# KiCad board mtt_final.kicad_pcb (continued)
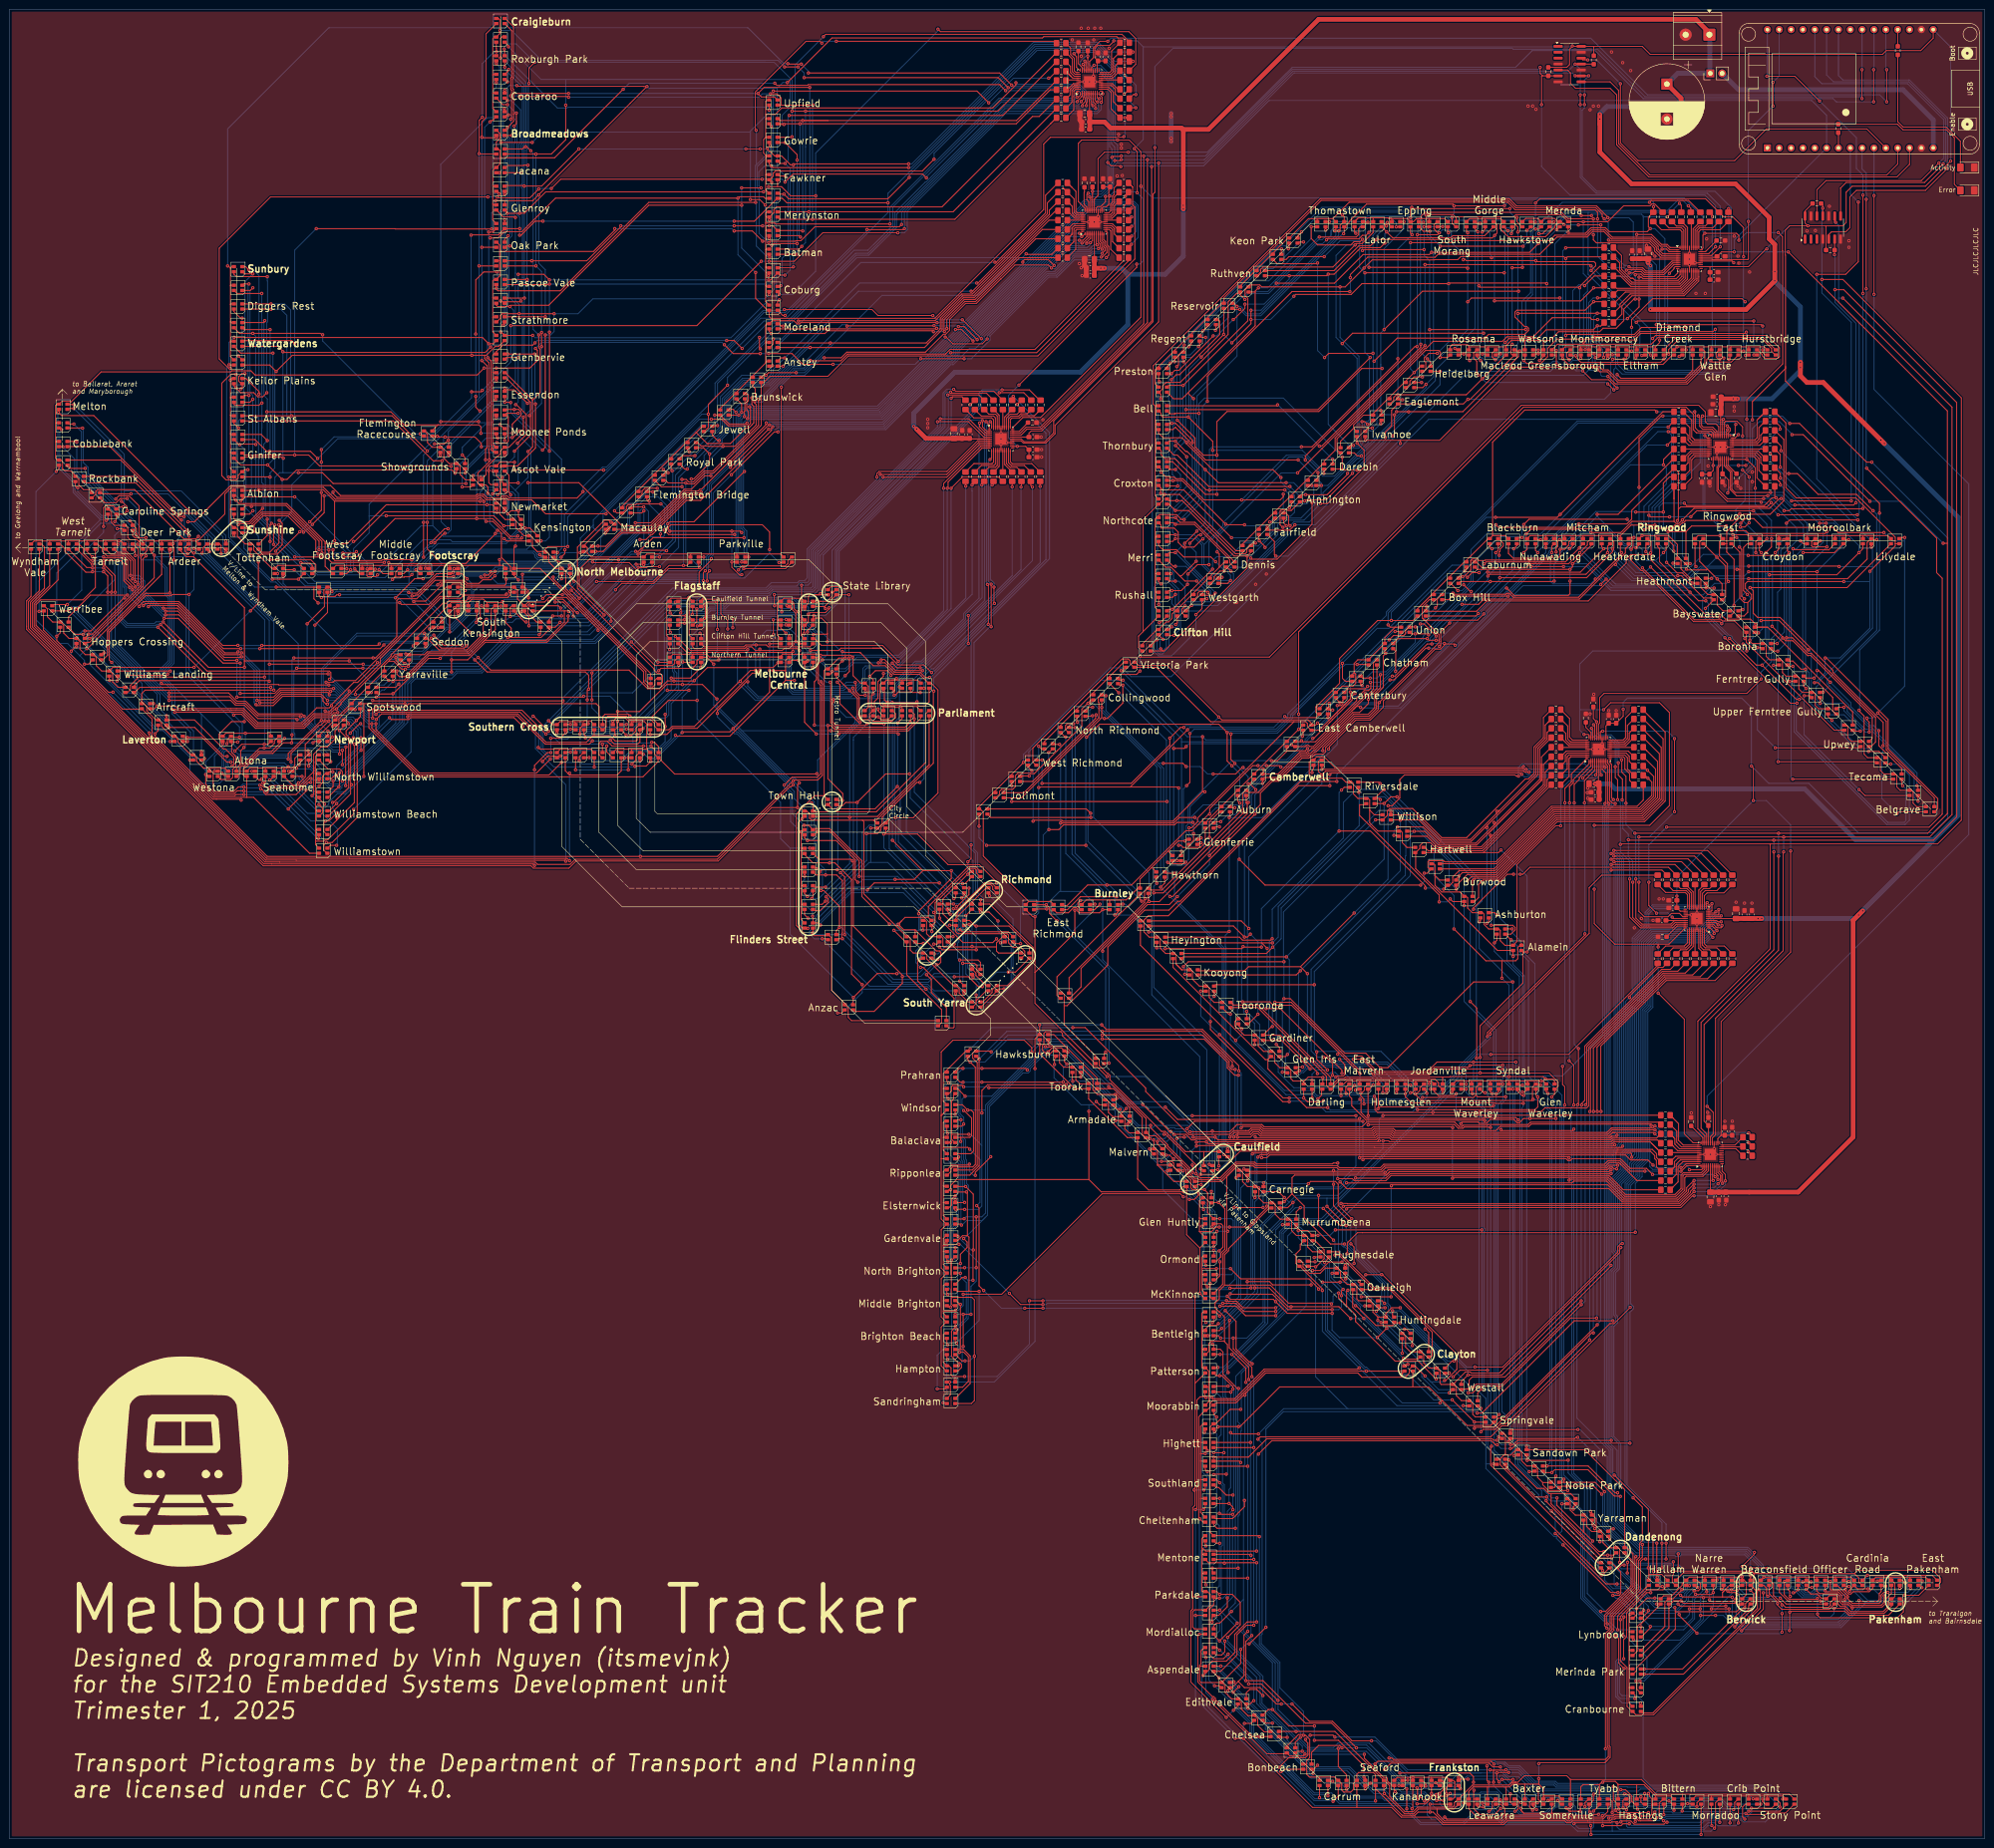
[diagram p0: board, top side]
## Routing (per net, layer and track width the routed paths; a pad name or vN(x,y) marks a point on that pad's centre or on a via; arc(x,y) is an arc through that point) (continued)
Net-(D218-GK): length 380.5
  Top w0.2: 374.78,319.4 375.78,318.4 375.78,318.17 376.35,317.6 379.22,317.6 379.52,317.91 379.52,319.82 376.83,322.5 352.96,322.5 v1(352.29,321.84) ; v1(331.16,346.82) 330.27,346.82 ; R63.2 360.5,349.75 v1(359.96,350.29) ; D248.4 248.52,279.72 v1(250,279.72) ; D266.4 327.75,319.4 v1(327.8,319.35) ; 248.44,303.64 v1(249.24,303.64) 250.04,303.64 253.62,300.06 v1(253.62,299.48) ; v1(311.71,338.74) 311.74,338.76 311.74,338.8 311.83,338.89 311.99,338.89 312.35,338.53 v1(327.25,338.53) 327.45,338.32 339.74,338.32 340.11,337.95 340.11,337.43 v1(339.11,336.43) ; v1(351.89,318.29) 350.78,319.4 ; D230.4 v1(283,346.9) ; v1(277.86,295.76) 277.86,296.61 301.35,320.1 v1(301.8,320.1) ; v1(301.87,344.1) 306.18,344.1 v1(306.59,344.51) 306.27,344.51 305.85,344.93 305.43,345.35 305.43,346.24 306.09,346.9 ; v1(302.78,312.39) 301.21,312.39 ; D278.4 280.56,291.76 v1(280.56,293.06) ; v1(249.15,313.02) 250.21,314.07 250.89,314.07 255.16,318.34 255.16,318.36 259.5,322.7 259.5,325.55 259.15,325.9 D236.4 ; D284.4 260,270.4
  Bottom w0.2: v1(306.59,344.51) 307.2,345.12 308.85,345.12 309.16,344.82 309.16,343.6 309.09,343.53 309.09,342.51 311.71,339.89 v1(311.71,338.74) ; v1(351.89,318.29) 351.89,321.84 ; 351.89,321.84 351.89,323.66 v1(339.11,336.43) ; 351.89,321.84 v1(352.29,321.84) ; v1(249.15,313.02) 249.15,311.96 249.24,311.87 v1(249.24,303.64) ; v1(260,270.6) 260,270.8 259.6,271.2 258.27,271.2 256.09,273.38 256.09,277.1 ; v1(280.56,293.06) v1(277.86,295.76) 277.24,296.38 274.28,296.38 260.19,282.29 260.19,281.9 ; 260.19,281.9 260.19,281.65 256.09,277.56 256.09,277.1 ; 260.19,281.9 260.19,282.24 ; v1(327.8,319.35) 327.25,319.9 v1(327.25,338.53) 327.24,338.53 327.24,344.5 329.57,346.82 v1(331.16,346.82) 333.63,349.29 355.49,349.29 357.66,351.46 358.79,351.46 v1(359.96,350.29) ; 256.09,277.1 256.09,277.68 254.06,279.72 v1(250,279.72) 249.39,280.33 249.39,285.18 253.62,289.41 v1(253.62,299.48) ; v1(283,346.9) 289.95,346.9 291.16,348.11 299.81,348.11 300.05,348.35 300.95,348.35 302,347.3 302,344.23 v1(301.87,344.1) 301.87,313.3 v1(302.78,312.39)
Net-(D218-RK): length 401.4
  Top w0.2: v1(327.92,344.31) 328.71,344.31 D218.1 ; v1(249.99,278.88) 249.41,278.3 D248.1 ; v1(374,325.6) 349.1,325.6 v1(348.8,325.3) ; v1(276.32,295.78) 256.47,295.78 253,299.25 253,299.8 249.99,302.81 249.48,302.3 D242.1 ; v1(307.3,345.84) 306.24,345.84 ; v1(261.81,269.91) 261.2,269.3 D284.1 ; D236.1 258.7,323.71 v1(258.58,323.59) ; v1(266.15,274.74) 266.4,274.49 271.8,274.49 279.29,281.97 v1(279.29,286.62) ; v1(303.73,312.01) 303.02,311.3 D272.1 ; v1(327.85,342.23) 325.93,340.31 v1(304.91,340.31) 304.45,339.85 290.25,339.85 284.11,333.71 v1(271.64,333.71) ; D278.1 v1(281.3,290.3) ; D254.1 v1(374,318.3) ; v1(358.07,350.83) 358.45,350.44 R62.2 ; v1(282.2,345.1) D230.1 ; 350.58,318.2 v1(350,318.2) ; v1(327.8,318.53) 326.93,318.53
  Bottom w0.2: v1(281.3,290.3) 282.67,290.3 303.73,311.37 v1(303.73,312.01) 305.33,313.61 305.33,339.89 v1(304.91,340.31) 304.91,342.89 303.95,343.85 303.95,345.13 304.66,345.84 v1(307.3,345.84) ; v1(258.58,323.59) 261.45,326.46 261.45,327.89 265.43,331.87 269.81,331.87 v1(271.64,333.71) 271.64,334 280.65,343 281.46,343 282.2,343.74 v1(282.2,345.1) ; 328.24,344.31 328.24,342.23 ; 328.24,344.31 329.5,344.31 334.08,348.89 338.5,348.89 ; 328.24,344.31 v1(327.92,344.31) ; 328.24,342.23 v1(327.85,342.23) ; 328.24,342.23 328.4,342.07 328.4,319.06 327.88,318.53 v1(327.8,318.53) ; v1(276.32,295.78) 281.25,290.85 281.25,288.44 279.43,286.62 v1(279.29,286.62) ; 338.5,348.89 356.13,348.89 v1(358.07,350.83) ; 338.5,348.89 338.47,348.86 338.47,335.59 349.57,324.5 349.57,318.63 v1(350,318.2) ; v1(249.99,278.88) 254.32,278.88 255.69,277.51 255.69,273.21 258.99,269.91 v1(261.81,269.91) 261.81,271.03 261.3,271.54 261.3,272.19 261.86,272.75 264.17,272.75 v1(266.15,274.74) ; v1(374,318.3) v1(374,325.6)
Net-(D219-BK): length 402.4
  Top w0.2: v1(274.44,285.53) 274.9,285.99 D279.2 ; v1(297.7,317.5) 297.7,317.02 279.28,298.6 v1(277,298.6) ; v1(368.66,317.39) 368.9,317.63 D255.2 ; v1(254.45,274.05) 251.32,270.92 250.92,270.92 ; v1(323.22,347.8) 323.22,346.89 324.32,345.8 ; D225.2 300.4,344.43 v1(300.74,344.09) ; v1(342.7,312.1) v1(344,310.8) ; D249.2 247.93,272.77 249.07,272.77 250.92,270.92 ; 250.92,270.92 252.03,269.8 v1(254.56,269.8) ; v1(273.47,289.34) 256.59,289.34 249.88,296.05 247.75,296.05 246.95,296.85 246.95,297.75 D243.2 ; v1(252.87,320.06) 253.4,320.6 D237.2 ; v1(368.6,349.7) 368.66,349.64 368.66,348.81 ; v1(274.22,341.07) 274.4,341.25 D231.2 ; 254.01,265.8 254.78,266.57 254.78,267.21 255.14,267.57 256.76,267.57 v1(256.96,267.37) ; 296,307.8 296.8,308.6 296.8,309.2 297.37,309.76 v1(297.7,309.76) 312.37,309.76 v1(315.8,313.2) D267.2 ; v1(255.4,279.7) 254.9,279.7 v1(253.1,277.9) ; v1(300.42,347.75) 300.42,349.72 v1(300.67,349.97) 300.92,349.71 303.1,349.71 303.11,349.7 v1(321.7,349.7) ; v1(343.65,318.36) 344.84,318.36
  Bottom w0.2: v1(277,298.6) 257.9,298.6 257.3,298 v1(257.3,289.3) 257.3,281.6 v1(255.4,279.7) ; 344.4,315.6 345.8,314.2 367.2,314.2 368.66,315.66 v1(368.66,317.39) 368.66,347.29 368.6,347.35 v1(368.6,349.7) ; 344.4,315.6 344,315.2 v1(344,310.8) ; 344.4,315.6 344.4,317.62 v1(343.65,318.36) ; v1(252.87,320.06) 252.6,319.8 251.65,319.8 251.3,320.16 251.3,321.02 271.98,341.69 273.59,341.69 v1(274.22,341.07) 274.22,342.8 281.38,349.97 v1(300.67,349.97) ; v1(300.42,347.75) 300.42,347.61 300.74,347.29 v1(300.74,344.09) 297.7,341.06 v1(297.7,309.76) ; v1(253.1,277.9) 253.1,277.3 254.45,275.95 v1(254.45,274.05) ; v1(321.7,349.7) 321.7,348.92 322.82,347.8 v1(323.22,347.8) ; v1(342.7,312.1) 342.4,312.4 316.6,312.4 v1(315.8,313.2) ; v1(273.47,289.34) 274.44,288.36 274.44,287.33 274.44,287.33 v1(274.44,285.53) ; v1(254.56,269.8) 256.96,267.4 v1(256.96,267.37)
Net-(D219-GK): length 368.6
  Top w0.2: v1(327.2,350.9) 328.13,351.83 363.64,351.83 R66.2 367.55,347.92 369.5,347.92 371.8,345.62 v1(371.8,339.4) ; v1(372.13,329.72) 371.48,330.37 352.29,330.37 347.8,325.88 v1(347.8,324.24) ; 323.54,319.15 323.54,317.95 321.91,316.32 321.8,316.32 311.61,306.13 v1(297.4,306.13) ; 323.54,319.15 322.95,319.15 ; 323.54,319.15 v1(323.82,319.15) ; D279.4 277.12,288.32 v1(277.93,288.32) 282.52,288.32 286.9,292.7 v1(286.9,292.9) ; v1(277.03,344.7) 276.2,343.87 276.2,343.63 ; v1(371.8,319.15) 370.95,319.15 ; D249.4 248.69,275.89 v1(249.99,275.89) ; v1(256.46,322.07) 255.53,322.07 D237.4 ; v1(327.16,346.83) 326.27,346.83 ; v1(252,277.9) v1(254.6,280.5) ; v1(258.54,267.2) 258.08,266.75 255.85,266.75 ; v1(347.8,319.15) 346.95,319.15 ; v1(303.18,346.81) 302.29,346.81 ; v1(298.7,308.68) 297.92,308.68 ; D243.4 248.61,299.81 v1(249.99,299.81) 252.19,297.61 252.5,297.61 259.22,290.89 v1(273.74,290.89)
  Bottom w0.2: 286.9,292.95 v1(286.9,292.9) 286.9,292.95 289.99,296.04 290.11,296.04 294.2,300.14 294.2,300.7 299.6,306.1 v1(300,306.1) ; 304.25,347.95 304.25,347.88 v1(303.18,346.81) ; 304.25,347.95 308.07,347.95 308.82,347.2 326.79,347.2 v1(327.16,346.83) ; 304.25,347.95 304.32,348.02 304.32,348.05 304.32,348.06 304.32,348.55 303.56,349.32 281.65,349.32 v1(277.03,344.7) ; v1(327.16,346.83) 327.2,346.87 v1(327.2,350.9) ; v1(327.16,346.83) 327.2,346.79 327.2,346.2 326.95,345.95 326.95,345.92 326.14,345.11 326.14,331.65 324.3,329.81 324.3,319.63 v1(323.82,319.15) ; 371.8,329.72 v1(372.13,329.72) ; 371.8,329.72 v1(371.8,339.4) ; 371.8,329.72 v1(371.8,319.15) ; v1(252,277.9) 252,277.9 v1(249.99,275.89) 258.54,267.35 v1(258.54,267.2) ; v1(254.6,280.5) 256.4,282.3 v1(256.4,293.7) ; v1(347.8,324.24) v1(347.8,319.15) ; v1(277.93,288.32) 275.36,290.89 273.74,290.89 v1(273.74,290.89) ; v1(298.7,308.68) 297.4,307.39 v1(297.4,306.13) ; v1(256.46,322.07) 256.46,320.74 253.5,317.78 251.8,317.78 251.06,317.03 251.06,300.88 v1(249.99,299.81)
Net-(D219-RK): length 427.9
  Top w0.2: v1(325.32,345.05) 325.45,345.05 D219.1 ; v1(324.4,337.1) 324.3,337 v1(322.2,337) ; D243.1 249.65,296.85 250.38,296.85 257.14,290.08 v1(274.55,290.08) ; v1(322.2,320.6) 321.95,320.35 321.95,318.6 322.25,318.3 D267.1 313.18,308.79 v1(312.72,308.79) 311.73,307.8 D273.1 296.36,306.46 296.36,303.1 295,301.74 v1(295,300.6) ; v1(287.96,292.91) 282.27,287.22 277.95,287.22 v1(277.72,286.99) 276.89,286.99 ; v1(364.77,317.08) 365.06,316.79 369.19,316.79 D255.1 ; v1(249.99,272.95) 249.55,272.95 D249.1 ; R65.2 365.13,348.34 v1(365.13,348.01) ; D285.1 255.7,263.9 v1(254.4,262.6) ; 255.92,266.02 v1(256.73,266.02) ; v1(273.07,281.32) 272.99,281.32 272.45,281.86 272.45,284.84 272.66,285.05 274.08,285.05 274.2,284.93 274.83,284.93 D279.1 ; v1(277.47,342.53) 276.43,342.53 ; v1(306.78,341.63) v1(324.54,341.63) ; v1(304.58,344.85) 303.15,344.85 D225.1 ; v1(254.96,320.1) 255.2,320.34 D237.1 ; 343.96,317.4 346.55,317.4 346.7,317.55 D261.1
  Bottom w0.2: v1(365.13,348.01) 365.08,347.96 365.08,317.39 v1(364.77,317.08) 362.7,315 347,315 346.2,315.8 v1(346.2,317.4) ; v1(312.72,308.79) 341.99,308.79 343.33,310.13 343.33,316.63 343.73,317.03 v1(343.73,317.4) ; 257.57,266.86 257.88,266.56 259.89,266.56 272.99,279.65 272.99,281.24 v1(273.07,281.32) ; 257.57,266.86 257.57,267.64 252.26,272.95 v1(249.99,272.95) ; 257.57,266.86 v1(256.73,266.02) ; v1(277.47,342.53) 276.63,342.53 270.93,336.84 268.36,336.84 254.96,323.43 v1(254.96,320.1) 253.16,318.3 249.23,318.3 245.04,314.1 245.04,255.08 246.38,253.73 249.16,253.73 254.4,258.97 v1(254.4,262.6) ; v1(322.2,337) v1(322.2,320.6) ; v1(277.72,286.99) 277.65,286.99 v1(274.55,290.08) ; v1(325.32,345.05) 325.32,342.41 v1(324.54,341.63) 324.4,341.49 v1(324.4,337.1) ; v1(295,300.6) 295,300.2 288.99,294.19 288.71,294.19 288.35,293.83 288.35,293.35 287.96,292.96 v1(287.96,292.91) ; v1(304.58,344.85) 304.58,343.82 v1(306.78,341.63)
Net-(D220-BK): length 398.2
  Top w0.2: D286.2 250.4,260.81 v1(250.07,260.48) ; D256.2 363.9,317.3 363.9,316.3 359.7,312.1 344.33,312.1 v1(342.73,313.7) ; v1(273.13,288.45) 273.13,287.86 272.47,287.2 v1(264.2,287.2) 256.14,287.2 251.6,291.75 250.05,291.75 249.73,292.07 248,292.07 v1(246.92,293.14) 246.92,293.77 D244.2 ; D238.2 249.9,316.92 v1(249.83,316.86) ; v1(340,317.74) 340.7,317.74 340.9,317.94 D262.2 ; D220.2 321.23,344.97 v1(321.29,344.97) ; v1(290,304) 290.59,304 v1(291.18,303.41) 291.51,303.41 D274.2 ; 341.44,329.73 v1(339.66,329.73) 337.83,327.9 323.2,327.9 322.8,327.5 322.8,326.45 324.85,324.4 325.35,324.4 325.7,324.05 325.7,323.55 324.87,322.72 317.16,322.72 v1(316.35,321.92) 297.55,321.92 v1(292.59,316.96) ; D280.2 270.56,282.46 v1(270.22,282.46) ; v1(292.35,318.65) 282.87,318.65 v1(281.97,317.76) ; v1(315.8,318.5) 316.7,318.5 ; v1(246.92,269.18) 246.4,269.71 D250.2 ; v1(295.43,346.73) 295.42,346.73 295.42,346.7 296.32,345.8 ; v1(280.47,338.03) 280.3,337.87 271.83,337.87 D232.2
  Bottom w0.2: v1(250.07,260.48) 249.97,260.59 248.96,260.59 248.61,260.24 248.61,255.54 247.2,254.13 246.55,254.13 245.44,255.24 245.44,268.46 246.16,269.18 ; 246.16,269.18 246.16,292.38 v1(246.92,293.14) 245.78,294.29 245.78,314.28 248.72,317.22 249.47,317.22 v1(249.83,316.86) ; 246.16,269.18 v1(246.92,269.18) ; v1(264.2,287.2) 273.78,296.78 277.7,296.78 281.21,293.26 281.21,292.65 281.56,292.29 284.09,292.29 291.3,299.5 291.3,301.6 290.05,302.85 290.05,303.95 v1(290,304) ; v1(280.47,338.03) 280.47,319.26 v1(281.97,317.76) ; v1(339.66,329.73) 339.05,329.11 339.05,320.85 340.4,319.49 340.4,318.14 v1(340,317.74) 340,316.55 341.16,315.39 341.16,314.2 ; 292.42,316.96 292.42,318.59 v1(292.35,318.65) 292.35,343.99 295.1,346.73 v1(295.43,346.73) ; 292.42,316.96 v1(292.59,316.96) ; 292.42,316.96 292.42,304.65 v1(291.18,303.41) ; v1(321.29,344.97) 321.3,344.96 321.3,319.25 319.94,317.9 316.4,317.9 v1(315.8,318.5) 316.35,319.05 v1(316.35,321.92) ; v1(273.13,288.45) 273.13,285.37 v1(270.22,282.46) ; v1(342.73,313.7) 341.5,313.7 341.16,314.04
Net-(D220-GK): length 399.1
  Top w0.2: v1(294.75,323.74) 302.99,331.98 v1(323.56,331.98) ; v1(323.42,344.67) 323.42,345.76 322.28,346.9 ; v1(318.59,317.29) 318.51,317.29 317.93,317.87 317.93,318.74 318.59,319.4 ; D232.4 272.7,340.97 v1(272.76,341.03) ; v1(294.02,306.42) 294.2,306.24 D274.4 ; v1(253.46,264.57) 252.3,263.4 ; D244.4 249.4,295.4 256.4,288.4 v1(258.9,288.4) ; v1(250.3,315.8) 250.65,316.15 250.65,318.3 251.25,318.9 D238.4 ; v1(296.61,300.95) 296.96,301.3 296.96,305.44 v1(296.97,305.46) ; v1(366.73,317.42) 366.37,317.42 365.93,317.86 365.93,318.74 366.59,319.4 ; D280.4 273.65,284.4 274.27,283.78 274.27,282.03 274.39,281.91 274.39,281.87 v1(274.59,281.67) ; v1(323.42,327.2) 323.47,327.25 v1(340.45,327.25) R69.2 ; v1(365.75,323.81) 365.26,323.32 349.58,323.32 348.57,322.3 339.97,322.3 v1(339.77,322.1) ; v1(249,271.4) D250.4 ; 251.73,318.93 251.73,320.26 v1(251.9,320.44) ; v1(299,346.9) D226.4 ; v1(341.8,317.81) 341.82,317.83 341.82,318.63 342.59,319.4 ; v1(294.3,315.4) 289.97,315.4 280.75,306.18 261.08,306.18 258.9,304 v1(258.9,296.8) 256.01,296.8 254.22,298.59 254.22,300.48 v1(250.4,304.3)
  Bottom w0.2: v1(296.97,305.46) 296.93,305.5 294.94,305.5 v1(294.02,306.42) 294.02,315.4 ; 294.02,315.4 294.02,316.3 ; 294.02,315.4 v1(294.3,315.4) 294.02,315.68 294.02,316.3 ; v1(258.9,288.4) v1(258.9,296.8) ; v1(250.3,315.8) 250.3,304.4 v1(250.4,304.3) ; v1(296.61,300.95) 296.61,300.35 278.7,282.45 275.37,282.45 v1(274.59,281.67) 274.59,280.07 259.09,264.57 v1(253.46,264.57) 252.74,263.85 251.85,263.85 250.66,265.03 250.66,268.1 249.33,269.44 249.33,270.01 249,270.34 v1(249,271.4) ; 323.42,323.27 323.42,320.73 319.98,317.29 v1(318.59,317.29) ; 323.42,323.27 v1(323.42,327.2) ; 323.42,323.27 323.42,331.98 ; v1(340.45,327.25) 339.66,326.46 339.66,322.21 v1(339.77,322.1) 339.77,321.31 341.61,319.47 341.61,318 v1(341.8,317.81) ; v1(366.73,317.42) 365.75,318.4 v1(365.75,323.81) ; 294.02,316.3 294.02,323.01 v1(294.75,323.74) 294.75,341.12 299,345.37 v1(299,346.9) ; v1(272.76,341.03) 271.95,341.03 251.9,320.98 v1(251.9,320.44) ; v1(323.42,344.67) 323.42,331.98 ; 323.42,331.98 v1(323.56,331.98)
Net-(D220-RK): length 344.7
  Top w0.2: D250.1 248.73,269.76 v1(249.99,269.76) ; v1(367.57,317.62) 366.89,318.3 ; v1(340.46,324.57) 340.46,324.57 ; v1(340.46,324.57) 339.59,323.7 329.48,323.7 327.68,321.9 326.97,321.9 326.87,321.8 321.51,321.8 v1(320.69,320.98) ; v1(340.46,324.57) 340.53,324.5 341.2,324.5 341.4,324.7 341.4,324.73 R68.2 ; v1(252.07,264.48) 251.43,263.84 251.43,262.96 252.09,262.3 ; v1(281.9,339.39) 274.34,339.39 273.75,338.8 D232.1 ; D244.1 248.77,293.73 v1(249.99,293.73) ; D220.1 322.2,344.49 v1(322.02,344.31) ; D280.1 273.2,282.25 v1(273.79,281.66) ; v1(319.68,318.53) 318.93,318.53 ; v1(342.7,317.6) D262.1 ; D226.1 297.37,345.8 v1(297.35,345.78) ; v1(252.25,306.58) 280.58,306.58 v1(291.75,317.76) ; v1(290.62,335.93) v1(320.5,335.93) ; v1(294,303.6) 294,304.1 ; v1(251.74,316.86) 251.7,316.9 D238.1
  Bottom w0.2: v1(297.35,345.78) 297.35,346.59 296.23,347.71 291.33,347.71 289.5,345.89 289.5,342.8 ; v1(322.02,344.31) 322.02,345.09 321.52,345.6 321,345.6 320.63,345.22 320.63,320.98 ; 320.63,320.98 319.68,320.03 v1(319.68,318.53) ; 320.63,320.98 v1(320.69,320.98) ; v1(342.7,317.6) 342.41,317.89 342.41,319.44 ; v1(367.57,317.62) 367.57,315.17 367,314.6 346.5,314.6 344.8,316.3 344.8,318.06 343.43,319.44 342.41,319.44 ; 342.41,319.44 340.5,321.35 340.5,324.53 v1(340.46,324.57) ; 289.5,342.8 285.3,342.8 281.9,339.4 ; 289.5,342.8 289.5,337.05 v1(290.62,335.93) 290.63,335.92 290.63,318.88 v1(291.75,317.76) 291.6,317.6 291.6,304.4 291.22,304.01 290.93,304.01 290.58,303.66 290.58,303.16 291.72,302.03 292.45,302.03 294,303.58 v1(294,303.6) ; 252.07,265.36 259.28,265.36 273.79,279.87 v1(273.79,281.66) ; 252.07,265.36 252.07,268.4 250.71,269.76 v1(249.99,269.76) 249.99,269.92 249.6,270.31 249.6,271.65 248.8,272.45 248.8,280.13 248.8,280.13 248.8,285.16 249.03,285.39 249.03,287.73 251.09,289.8 251.09,292.62 v1(249.99,293.73) 250.68,294.41 250.68,295.32 249.77,296.23 249.77,297.46 251.79,299.49 251.79,299.8 252.17,300.17 252.17,306.5 v1(252.25,306.58) 252.26,306.59 252.26,316.33 v1(251.74,316.86) ; 252.07,265.36 v1(252.07,264.48)
Net-(D221-BK): length 354.4
  Top w0.2: 246.84,289.78 247.27,289.34 251.78,289.34 v1(262.02,279.1) ; 246.84,289.78 246.84,289.86 D245.2 ; 246.84,289.78 v1(246.84,288.61) ; v1(316.07,322.97) 287.99,322.97 v1(285.77,320.75) ; D257.2 360.9,315 359.2,313.3 345.5,313.3 v1(344.7,314.1) ; v1(247.35,257.29) 246.4,258.24 ; D239.2 246.4,312.76 v1(246.6,312.57) ; v1(337.3,314.9) 339.2,313 342.87,313 344.17,311.7 344.2,311.7 v1(344.7,311.2) ; D221.2 316.4,345.33 v1(315.76,344.68) ; D251.2 246.4,264.81 v1(246.43,264.78) ; v1(336.9,317.6) D263.2 ; R73.2 339.8,335.25 v1(337.72,333.17) ; D269.2 312.9,317.29 v1(313.09,317.11) ; D275.2 288.9,299.44 v1(288.95,299.38) 290.46,297.88 290.46,294.24 282.62,286.4 v1(281.1,286.4) ; v1(269.2,277) 269.2,277.19 v1(267.97,278.42) 267.9,278.49 D281.2 ; 267.51,335.3 268.28,336.07 268.28,336.65 268.8,337.17 283.77,337.17 288.52,341.92 v1(288.53,341.9) 288.83,342.2 290.03,342.2 292.4,344.57 D227.2
  Bottom w0.2: v1(262.02,279.1) 267.29,279.1 v1(267.97,278.42) ; v1(337.3,314.9) 335.9,314.9 334.42,316.38 ; v1(246.6,312.57) 246.25,312.21 246.25,299.88 247.59,298.53 247.59,289.36 v1(246.84,288.61) 246.84,288.11 247.91,287.04 247.91,266.26 v1(246.43,264.78) 247.35,263.86 v1(247.35,257.29) ; 334.42,316.38 334.34,316.3 332.5,316.3 332.5,316.31 331.91,316.9 330.9,316.9 330.5,316.5 329.4,316.5 329.4,316.5 316.95,316.5 315.73,317.72 315.2,317.72 ; 334.42,316.38 335.19,317.14 ; 335.19,317.14 335.19,332.09 336.45,333.35 337.54,333.35 v1(337.72,333.17) ; 335.19,317.14 336.44,317.14 v1(336.9,317.6) ; v1(344.7,314.1) v1(344.7,311.2) ; v1(315.76,344.68) 315.76,323.29 v1(316.07,322.97) 315.69,322.6 315.69,321.2 315.2,320.7 315.2,317.72 ; v1(288.95,299.38) 288.95,317.56 v1(285.77,320.75) 284.44,322.07 284.44,339.66 286.69,341.9 v1(288.53,341.9) ; v1(313.09,317.11) 313.7,317.72 315.2,317.72 ; v1(269.2,277) 271.9,279.7 271.9,281.9 272.85,282.85 277.55,282.85 v1(281.1,286.4)
Net-(D221-GK): length 369.7
  Top w0.2: v1(295.23,345.96) 294.29,346.9 ; R72.2 341.38,332.71 v1(339.66,332.71) 339.66,332.66 336.9,329.9 318.42,329.9 v1(318.4,329.92) ; 318.27,346.9 318.95,346.22 318.95,344.45 v1(318.45,343.95) 317.9,343.4 309.56,343.4 309.24,343.07 293.23,343.07 293.2,343.1 ; v1(314.97,313.97) 314.61,314.33 314.61,316.96 313.93,317.64 313.93,318.74 314.59,319.4 ; v1(264.8,281.87) 260.9,281.87 v1(260.79,281.99) 251.43,291.35 v1(249.49,291.35) 248.25,291.35 ; v1(293.2,343.1) 291.8,341.71 289.31,341.71 284,336.4 D233.4 ; v1(257.2,273.3) 254.7,273.3 v1(252.7,271.3) ; v1(248.93,316.58) 248.2,315.85 D239.4 ; v1(275.61,281.85) 274.48,280.72 269.92,280.72 ; v1(337.85,319.45) 338.54,319.45 ; D251.4 248.56,267.76 v1(249.24,267.76) 251.26,267.76 v1(252.6,269.1) ; v1(269.7,281.66) 269.72,281.65 269.72,280.92 ; v1(249.21,259.98) 248.63,259.4 D287.4 ; v1(292.2,302.63) 291.43,302.63 D275.4 ; D257.4 363.15,319.4 363.5,319.05 363.5,316.46 359.53,312.5 344.8,312.5 342.6,314.7 341,314.7 v1(340.56,315.14)
  Bottom w0.2: v1(252.6,269.1) 252.6,271.2 v1(252.7,271.3) ; v1(264.8,281.87) 265.01,281.66 v1(269.7,281.66) ; v1(257.2,273.3) 257.2,278.1 260.79,281.69 v1(260.79,281.99) ; v1(318.45,343.95) 318.4,343.9 v1(318.4,329.92) ; 338.54,315.01 340.43,315.01 v1(340.56,315.14) ; 338.54,315.01 337.5,313.97 v1(314.97,313.97) 312.02,313.97 294.93,296.88 294.93,296.84 279.94,281.85 v1(275.61,281.85) ; 338.54,315.01 338.54,318.76 v1(337.85,319.45) 338.18,319.78 338.18,331.22 v1(339.66,332.71) ; v1(249.21,259.98) 249.35,259.85 250.35,259.85 250.71,260.21 250.71,263.48 249.24,264.95 v1(249.24,267.76) ; v1(249.49,291.35) 248.55,292.28 248.55,316.2 v1(248.93,316.58) ; v1(295.23,345.96) 293.2,343.92 v1(293.2,343.1) 293.2,303.63 v1(292.2,302.63)
Net-(D221-RK): length 382.2
  Top w0.2: D251.1 249.37,266.3 v1(249.99,266.92) ; D269.1 314.7,317.84 v1(315.44,317.11) ; D221.1 316.27,343.87 309.47,343.87 309.07,343.48 296.52,343.48 v1(295.3,344.7) D227.1 ; v1(262.4,325.9) 262.5,325.9 264.9,328.3 v1(264.9,329.2) ; v1(258.1,322.4) 258.1,322.37 250.75,315.01 249.86,315.01 v1(249.15,314.3) D239.1 ; v1(271.55,275.14) 271.22,275.47 271.22,278.28 D281.1 ; 248.31,290.19 v1(250.49,290.19) ; v1(322,315.56) 322,315.35 306.64,299.99 298.23,299.99 ; v1(322,315.56) 322.13,315.69 v1(339.6,315.69) 339.65,315.74 340.96,315.74 341.6,315.1 342.77,315.1 344.97,312.9 359.37,312.9 362.7,316.23 D257.1 ; v1(322,315.56) 322.17,315.39 ; D275.1 v1(290.7,299.99) 298.23,299.99 ; v1(294.9,342.3) 293.9,341.3 293,341.3 293,341.31 289.71,341.31 289.15,340.75 284.04,335.64 v1(282.77,335.64) 282.43,335.3 v1(274.4,335.3) D233.1 ; v1(340.5,330.55) 341.22,330.55 R71.2 ; 298.23,299.99 v1(298.23,299.33) ; v1(249.71,258.15) 248.34,258.15 ; v1(339.8,318.53) 338.93,318.53
  Bottom w0.2: v1(298.23,299.33) 298.23,299.22 274.15,275.14 v1(271.55,275.14) 259.78,263.37 251.11,263.37 ; v1(258.1,322.4) 258.9,322.4 v1(262.4,325.9) ; 251.11,263.37 251.11,263.72 249.99,264.84 v1(249.99,266.92) 249.99,268.09 248.4,269.68 248.4,288.09 v1(250.49,290.19) 250.49,291.5 249.35,292.65 249.35,300.33 249.5,300.48 249.5,303.05 249.84,303.39 249.84,303.89 249.64,304.09 249.64,312.04 249.55,312.12 249.55,312.57 249.75,312.77 249.75,313.27 249.4,313.62 249.38,313.62 249.15,313.85 v1(249.15,314.3) ; 251.11,263.37 251.11,259.55 v1(249.71,258.15) ; v1(290.7,299.99) 290.69,299.99 289.99,299.29 289.99,298.99 289.3,298.3 287.89,298.3 282.77,303.42 v1(282.77,335.64) ; v1(315.44,317.11) 316.98,315.56 v1(322,315.56) ; v1(295.3,344.7) 294.9,344.3 v1(294.9,342.3) ; v1(340.5,330.55) 339.6,330.55 338.6,329.54 338.6,319.73 v1(339.8,318.53) 339.4,318.13 339.4,315.89 v1(339.6,315.69) ; v1(264.9,329.2) 269,329.2 274.4,334.6 v1(274.4,335.3)
Net-(D222-BK): length 337.5
  Top w0.2: D258.2 356.55,318.3 354.54,316.29 334.2,316.29 333.04,317.46 v1(333.04,317.5) 333,317.5 332.9,317.6 D264.2 ; v1(291.5,337.1) 312.4,337.1 312.6,336.9 ; v1(333.68,341.26) 333.77,341.35 R76.2 ; D282.2 262.98,276.3 250.91,288.37 v1(247.67,288.37) 247.28,287.98 247.28,287.07 246.51,286.3 ; 242.82,254.8 242.09,255.52 242.09,258 243.05,258.95 ; D228.2 288.4,344.67 v1(288.68,344.39) ; 243.05,258.95 D252.2 ; 243.05,258.95 243.05,282.95 D246.2 ; D240.2 246.86,309.84 v1(246.86,308.89) ; 263.9,331.5 263.9,331.21 v1(264.9,330.2) ; 263.9,331.5 263.13,331.5 261.3,329.67 261.3,322.7 251.01,312.42 248.01,312.42 247.28,311.69 247.28,311.07 246.51,310.3 ; 263.9,331.5 D234.2 ; 285.33,297.3 284.65,297.98 284.65,300.31 303.6,319.27 306.44,319.27 306.83,318.89 306.83,317.85 v1(306.73,317.76) 308.36,317.76 D270.2 ; v1(291.5,344.6) 290.87,343.97 290.1,343.97 289.33,343.2 282.6,343.2 v1(282.4,343) ; v1(332.4,330.52) 313.47,330.52 v1(312.67,329.72) ; D222.2 312.4,344.77 v1(312.66,344.51)
  Bottom w0.2: 312.66,329.72 v1(312.66,336.9) v1(312.66,344.51) ; 312.66,329.72 312.66,323.69 v1(306.73,317.76) ; 312.66,329.72 v1(312.67,329.72) ; 283.37,344.06 283.37,344.9 ; 283.37,344.9 283.37,343.97 v1(282.4,343) 281.54,342.14 280.36,342.14 272.25,334.03 272.25,333.46 271.89,333.11 271.61,333.11 269.97,331.47 265.6,331.47 264.9,330.78 v1(264.9,330.2) ; 283.37,344.9 283.37,344.97 283.98,345.58 287.49,345.58 v1(288.68,344.39) ; v1(291.5,344.6) v1(291.5,337.1) ; 333.04,330.52 333.04,340.62 v1(333.68,341.26) ; 333.04,330.52 v1(333.04,317.5) ; 333.04,330.52 v1(332.4,330.52) ; v1(246.86,308.89) 248.04,307.71 248.04,288.74 v1(247.67,288.37)
Net-(D222-GK): length 350.4
  Top w0.2: R75.2 334.03,339.35 v1(333.68,338.99) 333.27,339.41 317.94,339.41 317.78,339.24 ; v1(359.5,324.2) 349.9,324.2 348.4,322.7 348.4,322.7 333.88,322.7 v1(333.68,322.5) ; v1(257.96,272.36) 249.33,263.73 v1(249.32,263.73) 248.53,263.73 D252.4 ; D288.4 246,257.2 v1(246.07,257.2) ; 334.59,319.4 333.93,318.74 333.93,317.77 v1(334.43,317.28) ; v1(252.43,296.44) 252.43,296.48 v1(250.02,298.88) ; v1(267.16,277.96) 266.76,277.96 D282.4 ; D258.4 v1(359.5,319.4) ; v1(309.9,319.7) 310.2,319.4 D270.4 ; D276.4 287.7,298.9 v1(288.15,298.9) ; D222.4 314.55,346.55 v1(315.3,346.55) ; D240.4 248.58,311.77 249.99,311.77 v1(251.66,311.78) 265.53,325.65 265.53,330.44 264.93,331.04 264.93,332.24 265.59,332.9 ; v1(291.26,346.79) 290.3,346.79 ; D246.4 248.55,287.05 v1(250.3,287.05) 251.47,287.05 262.87,275.65 264.95,275.65 265.32,276.01 265.32,276.63 266.09,277.4 ; D234.4 266.12,333.32 268.1,333.32 268.51,332.91 v1(285.3,332.91) 285.31,332.9 286.4,332.9 v1(290.45,336.95) 292.2,338.7 305.57,338.7 305.61,338.74 310.51,338.74 311.18,339.41 317.53,339.41 v1(317.78,339.16)
  Bottom w0.2: v1(267.16,277.96) 264.59,277.96 261.68,275.05 258.87,275.05 257.96,274.15 v1(257.96,272.36) ; v1(334.43,317.28) 333.68,318.03 v1(333.68,338.99) ; v1(291.26,346.79) 290.71,346.24 290.71,342.11 290.7,342.1 290.71,342.09 290.71,339.31 290.7,339.3 290.7,337.2 v1(290.45,336.95) ; v1(359.5,319.4) v1(359.5,324.2) ; v1(249.32,263.73) 248.04,262.44 248.04,255.58 247.06,254.6 246.65,254.6 246.07,255.19 v1(246.07,257.2) ; v1(251.66,311.78) 251.59,311.71 251.59,300.44 v1(250.02,298.88) ; v1(309.9,319.7) 314.22,324.02 314.22,345.47 v1(315.3,346.55) 317.42,344.44 317.42,339.89 317.84,339.47 317.84,339.33 317.78,339.26 v1(317.78,339.16) ; v1(250.3,287.05) 250.3,287.99 252.43,290.11 v1(252.43,296.44) ; v1(285.3,332.91) 285.3,322.06 289.36,318.01 289.36,299.9 289.59,299.66 289.59,299.16 289.15,298.72 288.33,298.72 v1(288.15,298.9)
Net-(D222-RK): length 324.1
  Top w0.2: 247.31,254.8 247.61,254.8 265.37,272.56 v1(265.37,275.17) ; 247.31,254.8 v1(246.85,255.26) ; 247.31,254.8 D288.1 ; v1(315.07,333.14) 315.36,332.84 336.67,332.84 ; D252.1 246.8,260.9 v1(246.55,260.9) ; v1(265.37,275.17) 262.59,275.17 252.83,284.93 v1(249.99,284.93) 248.62,286.3 D246.1 ; v1(265.37,275.17) 266.2,276 D282.1 ; 267.1,331.8 267.1,324.57 252.68,310.15 ; 267.1,331.8 267.1,332.01 v1(267.8,332.71) ; 267.1,331.8 D234.1 ; v1(289.86,296.64) 289,296.64 288.34,297.3 D276.1 ; v1(336.67,332.71) 336.67,332.84 ; 336.67,332.84 336.67,332.97 341,337.3 R74.2 ; v1(311.83,318.5) 310.9,318.5 ; v1(280.84,343.6) 288.76,343.6 289.28,344.12 289.28,345.38 289.7,345.8 D228.1 ; D240.1 249.58,308.92 251.45,308.92 252.68,310.15 ; 252.68,310.15 v1(253.89,308.94) ; D222.1 314.2,345.36 v1(314.83,344.72) ; 334.84,318.16 v1(335.81,318.16) 335.81,317.84 336.95,316.7 354,316.7 v1(354.75,317.45) ; D258.1 358.3,318.3 v1(358,318)